# KiCad board issue8909.kicad_pcb
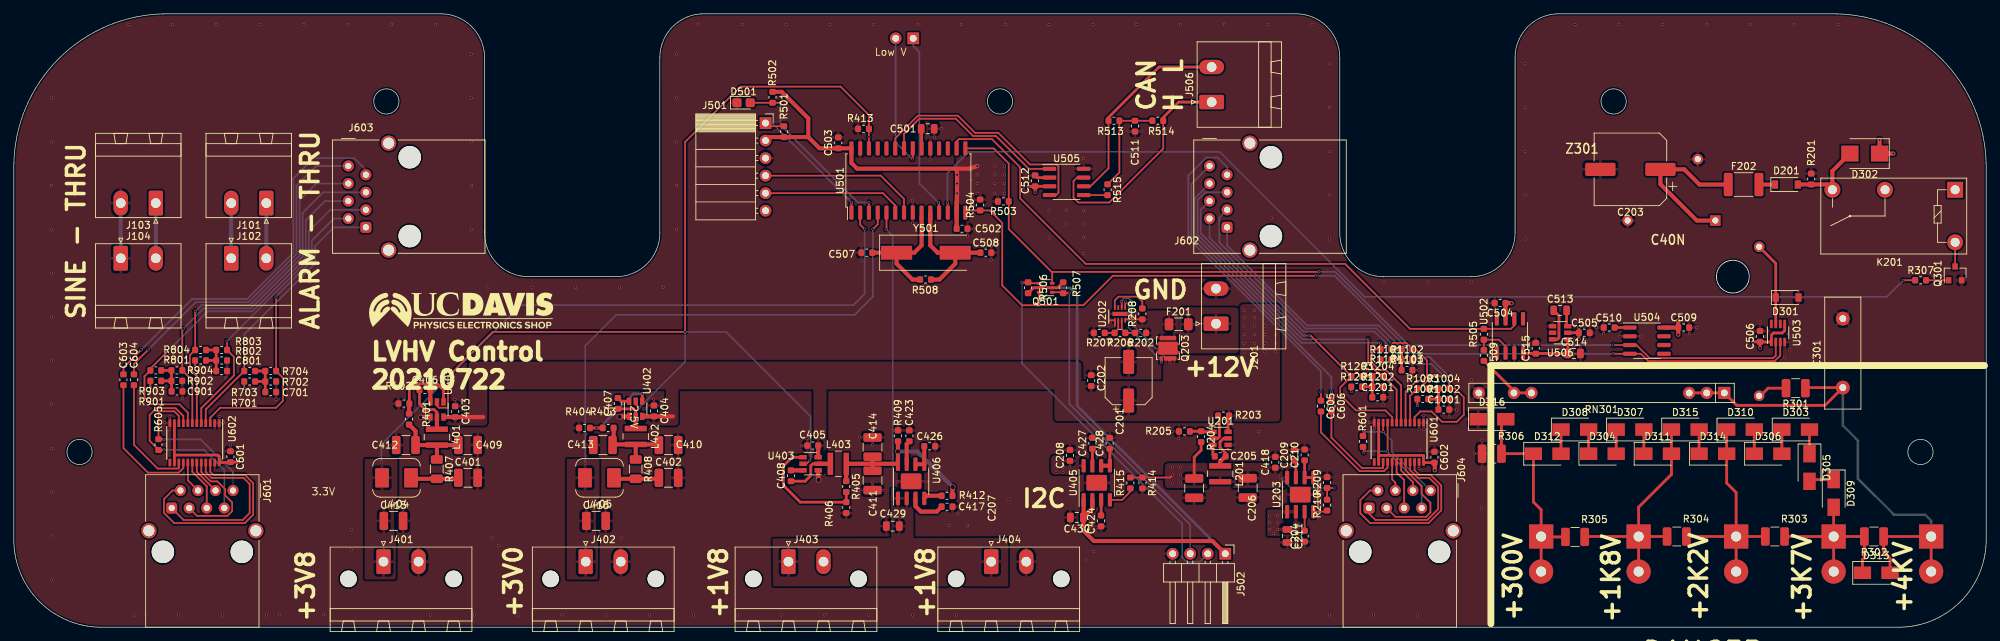
[diagram p0: board, top side]
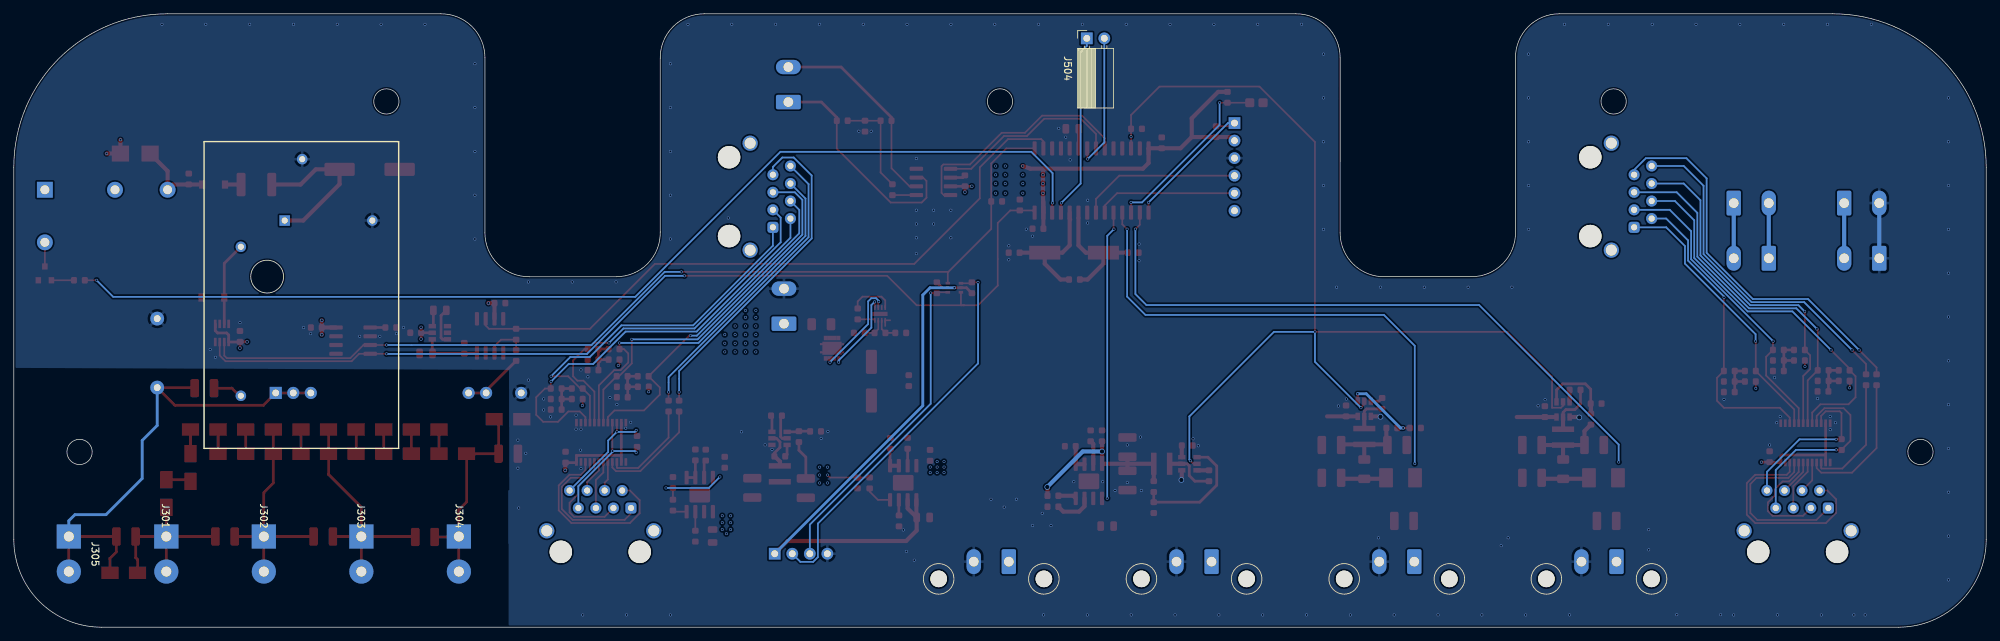
[diagram p1: board, bottom side, seen from below]

Outline 285.75 x 88.9 mm; copper layers: Top, L2 Ground (plane), L3 PWR (plane), Bottom. Coordinates in mm from the lower left corner of the outline.
Outline path: circle c9.53,25.4 r1.83 ; circle c53.98,76.2 r1.83 ; circle c142.88,76.2 r1.83 ; circle c231.78,76.2 r1.83 ; circle c276.23,25.4 r1.83 ; 0,66.68 arc(6.51,82.39) 22.23,88.9 61.85,88.9 arc(66.38,86.99) 68.2,82.42 68.2,57.28 arc(70.01,52.71) 74.55,50.8 87.12,50.8 arc(91.69,52.61) 93.6,57.15 93.6,82.56 arc(95.5,87.09) 100.08,88.9 185.75,88.9 arc(190.28,86.99) 192.1,82.42 192.1,57.27 arc(193.91,52.7) 198.45,50.8 211.02,50.8 arc(215.59,52.61) 217.5,57.15 217.5,82.56 arc(219.4,87.09) 223.97,88.9 263.52,88.9 arc(279.24,82.39) 285.75,66.68 285.75,12.7 arc(282.03,3.72) 273.05,0 12.7,0 arc(3.72,3.72) 0,12.7 0,66.68
Stack: Top 0.035mm / dielectric 1.51mm FR4 er 4.5 / L2 Ground 0.035mm / dielectric 1.51mm FR4 er 4.5 / L3 PWR 0.035mm / dielectric 1.51mm FR4 er 4.5 / Bottom 0.035mm

## Placement (name value [footprint] x y rotation side)
C201  10uF  [CP_Elec_6.3x5.9]  161.51 35.65 90 top
C202  0u1F  [C_0603_1608Metric]  156.09 35.73 90 top
C203  150uF  [CP_Elec_10x7.7]  234.2 66.35 180 top
C204  1uF  [C_0603_1608Metric]  187.01 13.19 90 top
C205  0u1F  [C_0603_1608Metric]  174.78 24.77 180 top
C206  22uF  [C_1210_3225Metric]  178.76 20.19 270 top
C207  22uF  [C_1210_3225Metric]  171.01 20.15 270 top
C208  0u1F  [C_0603_1608Metric]  153.01 24.9 90 top
C209  1uF  [C_0603_1608Metric]  185.51 24.94 90 top
C210  1uF  [C_0603_1608Metric]  187.01 24.97 90 top
C211  10uF  [C_0805_2012Metric]  184.51 13.22 270 top
C301  2nF  [C_Disc_D16.0mm_W5.0mm_P10.00mm]  264.98 34.72 90 top
C401  47uF  [C_1210_3225Metric]  65.8 21.65 0 top
C402  47uF  [C_1210_3225Metric]  94.85 21.65 0 top
C403  0u1F  [C_0603_1608Metric]  63.94 31.25 90 top
C404  0u1F  [C_0603_1608Metric]  92.74 31.34 90 top
C405  0u1F  [C_0603_1608Metric]  115.75 26.33 180 top
C406  0u1F  [C_0603_1608Metric]  59.56 34.4 0 top
C407  0u1F  [C_0603_1608Metric]  87.51 32.43 90 top
C408  0u1F  [C_0603_1608Metric]  112.6 21.95 90 top
C409  22uF  [C_1210_3225Metric]  65.8 26.4 0 top
C410  22uF  [C_1210_3225Metric]  94.85 26.4 0 top
C411  22uF  [C_1210_3225Metric]  124.41 21.27 270 top
C412  22uF  [C_1210_3225Metric]  56.8 26.4 180 top
C413  22uF  [C_1210_3225Metric]  85.35 26.4 180 top
C414  22uF  [C_1210_3225Metric]  124.41 26.1 90 top
C415  47uF  [C_1210_3225Metric]  55 15.4 0 top
C416  47uF  [C_1210_3225Metric]  84.35 15.4 0 top
C417  1uF  [C_0603_1608Metric]  135.2 17.46 180 top
C418  0u1F  [C_0603_1608Metric]  182.76 23.9 90 top
C423  1uF  [C_0603_1608Metric]  129.74 27.73 90 top
C424  1uF  [C_0603_1608Metric]  157.51 15.4 90 top
C426  1uF  [C_0603_1608Metric]  132.69 26.23 0 top
C427  1uF  [C_0603_1608Metric]  156.26 26.65 90 top
C428  1uF  [C_0603_1608Metric]  158.76 26.65 90 top
C429  10uF  [C_0805_2012Metric]  127.35 14.65 180 top
C430  10uF  [C_0805_2012Metric]  154.01 15.9 180 top
C501  10uF  [C_0805_2012Metric]  132.4 72.23 0 top
C502  0u1F  [C_0603_1608Metric]  137.38 57.75 0 top
C503  0u1F  [C_0603_1608Metric]  119.44 70.2 90 top
C504  0u1F  [C_0603_1608Metric]  215.33 46.97 180 top
C505  0u1F  [C_0603_1608Metric]  227.53 42.67 0 top
C506  0u1F  [C_0603_1608Metric]  252.98 42.14 90 top
C507  20pF  [C_0603_1608Metric]  123.58 54.28 180 top
C508  20pF  [C_0603_1608Metric]  140.82 54.28 0 top
C509  0u1F  [C_0603_1608Metric]  241.93 43.43 0 top
C510  0u1F  [C_0603_1608Metric]  231.13 43.43 180 top
C511  0u1F  [C_0603_1608Metric]  162.43 72.62 270 top
C512  0u1F  [C_0603_1608Metric]  147.96 64.69 90 top
C513  10uF  [C_0805_2012Metric]  224.03 45.92 0 top
C514  10uF  [C_0805_2012Metric]  226.03 39.67 0 top
C515  0u1F  [C_0603_1608Metric]  220.49 40.42 90 top
C601  0u1F  [C_0603_1608Metric]  31.38 24.71 270 top
C602  0u1F  [C_0603_1608Metric]  205.82 24.64 270 top
C603  0u1F  [C_0603_1608Metric]  15.88 35.86 270 top
C604  0u1F  [C_0603_1608Metric]  17.41 35.86 270 top
C605  0u1F  [C_0603_1608Metric]  189.37 32.05 270 top
C606  0u1F  [C_0603_1608Metric]  190.89 32.05 270 top
C701  0u1F  [C_0603_1608Metric]  37.22 34.08 0 top
C801  0u1F  [C_0603_1608Metric]  30.11 37.13 0 top
C901  0u1F  [C_0603_1608Metric]  23.65 34.17 0 top
C1001  0u1F  [C_0603_1608Metric]  207.17 31.54 0 top
C1101  0u1F  [C_0603_1608Metric]  201.84 37.26 0 top
C1201  0u1F  [C_0603_1608Metric]  197.59 33.32 0 top
D201  1N5819  [D_SOD-123]  256.8 64.15 0 top
D301  1N5819  [D_SOD-123]  256.91 47.78 0 top
D302  S1KB-13-F  [D_SMB]  268.15 68.64 180 top
D303  200V  [D_SMA]  258.15 28.64 0 top
D304  200V  [D_SMA]  230.15 25.14 0 top
D305  200V  [D_SMA]  260.15 23.14 270 top
D306  200V  [D_SMA]  254.15 25.14 0 top
D307  200V  [D_SMA]  234.15 28.64 0 top
D308  200V  [D_SMA]  226.15 28.64 0 top
D309  200V  [D_SMA]  263.65 19.38 270 top
D310  200V  [D_SMA]  250.15 28.64 0 top
D311  200V  [D_SMA]  238.15 25.14 0 top
D312  200V  [D_SMA]  222.15 25.14 0 top
D313  75V  [D_SMA]  269.82 7.88 0 top
D314  75V  [D_SMA]  246.15 25.14 0 top
D315  75V  [D_SMA]  242.15 28.64 0 top
D316  75V  [D_SMA]  214.15 30.14 0 top
D501  D_Photo  [D_0805_2012Metric_Castellated]  105.73 76.01 0 top
Davis_Shop_25mm  LOGO***  [Davis_Shop_25mm]  64.51 45.9 0 top
F201  Fuse  [Fuse_1206_3216Metric]  168.76 43.9 0 top
F202  Polyfuse  [Fuse_1812_4532Metric_Pad1.30x3.40mm_HandSolder]  250.6 64.15 0 top
J101  Conn_01x02_Male  [PhoenixContact_MSTBA_2,5_2-G-5,08_1x02_P5.08mm_Horizontal]  36.58 61.47 180 top
J102  Conn_01x02_Male  [PhoenixContact_MSTBA_2,5_2-G-5,08_1x02_P5.08mm_Horizontal]  31.5 53.47 0 top
J103  Conn_01x02_Male  [PhoenixContact_MSTBA_2,5_2-G-5,08_1x02_P5.08mm_Horizontal]  20.57 61.47 180 top
J104  Conn_01x02_Male  [PhoenixContact_MSTBA_2,5_2-G-5,08_1x02_P5.08mm_Horizontal]  15.49 53.47 0 top
J201  Conn_01x02_Male  [PhoenixContact_MSTBA_2,5_2-G-5,08_1x02_P5.08mm_Horizontal]  174.18 43.99 90 top
J301  Conn_01x01_Male  [TE_63951-1_1x02_P5.08mm_Drill1.45mm]  263.65 13.14 270 bottom
J302  Conn_01x01_Male  [TE_63951-1_1x02_P5.08mm_Drill1.45mm]  249.53 13.14 270 bottom
J303  Conn_01x01_Male  [TE_63951-1_1x02_P5.08mm_Drill1.45mm]  235.4 13.14 270 bottom
J304  Conn_01x01_Male  [TE_63951-1_1x02_P5.08mm_Drill1.45mm]  221.27 13.14 270 bottom
J305  Conn_01x01_Male  [TE_63951-1_1x02_P5.08mm_Drill1.45mm]  277.78 13.14 270 bottom
J401  Conn_01x03  [PhoenixContact_MSTB_2,5_2-GF-5,08_1x02_P5.08mm_Horizontal_ThreadedFlange_MountHole]  53.56 9.5 0 top
J402  Conn_01x03  [PhoenixContact_MSTB_2,5_2-GF-5,08_1x02_P5.08mm_Horizontal_ThreadedFlange_MountHole]  82.85 9.5 0 top
J403  Conn_01x03  [PhoenixContact_MSTB_2,5_2-GF-5,08_1x02_P5.08mm_Horizontal_ThreadedFlange_MountHole]  112.23 9.5 0 top
J404  Conn_01x03  [PhoenixContact_MSTB_2,5_2-GF-5,08_1x02_P5.08mm_Horizontal_ThreadedFlange_MountHole]  141.6 9.5 0 top
J501  Conn_01x06_Female  [PinSocket_1x06_P2.54mm_Horizontal]  108.9 73.06 0 top
J502  61900419521  [PinHeader_1x04_P2.54mm_Horizontal]  175.51 10.65 270 top
J504  Conn_01x04  [PinSocket_1x02_P2.54mm_Horizontal]  130.3 85.34 90 bottom
J506  Conn_01x02  [PhoenixContact_MSTBA_2,5_2-G-5,08_1x02_P5.08mm_Horizontal]  173.54 76.11 90 top
J601  RJ45  [RJ45_Wuerth_615008142621_Horizontal]  31.76 19.81 270 top
J602  RJ45  [RJ45_Wuerth_615008142621_Horizontal]  173.23 66.84 0 top
J603  RJ45  [RJ45_Wuerth_615008142621_Horizontal]  48.47 66.84 0 top
J604  RJ45  [RJ45_Wuerth_615008142621_Horizontal]  205.23 19.81 270 top
K201  G5Q-1A4 DC12  [Relay_SPST_Omron-G5Q-1A]  281.25 63.4 180 top
L201  3u3H  [L_Pulse_PA4331.332NLT]  174.78 22.23 270 top
L401  3u3H  [L_Pulse_PA4331.332NLT]  61.3 27.55 270 top
L402  3u3H  [L_Pulse_PA4331.332NLT]  90.1 27.64 270 top
L403  3u3H  [L_Pulse_PA4331.332NLT]  119.45 23.69 0 top
L404  200nH  [L_Bourns_SRP5015]  55.45 21.65 180 top
L405  200nH  [L_Bourns_SRP5015]  84.85 21.65 180 top
Q203  CSD87312Q3E  [Texas_CSD87312Q3E]  167.21 40.43 270 top
Q301  MMBTA42  [SOT-23]  281.25 51.28 90 top
Q501  DMN601DWK-7  [SOT-363_SC-70-6]  149.49 49.2 180 top
R201  100k  [R_0603_1608Metric]  260.4 64.95 90 top
R202  1M33  [R_0603_1608Metric]  163.26 42.65 180 top
R203  100k  [R_0603_1608Metric]  175.26 30.65 0 top
R204  54k9  [C_0603_1608Metric]  172.01 27.62 90 top
R205  10k  [R_0603_1608Metric]  169.6 28.38 180 top
R206  20k  [R_0603_1608Metric]  160.26 42.65 180 top
R207  42k  [R_0603_1608Metric]  157.26 42.65 180 top
R208  100k  [R_0603_1608Metric]  163.49 45.4 90 top
R209  100k  [R_0603_1608Metric]  190.26 20.97 90 top
R210  100k  [R_0603_1608Metric]  190.26 17.69 90 top
R301  100R  [R_1210_3225Metric]  258.15 34.64 180 top
R302  2M  [R_1210_3225Metric]  269.49 13.14 180 top
R303  10M  [R_1210_3225Metric]  255.14 13.14 180 top
R304  2M  [R_1210_3225Metric]  240.92 13.14 180 top
R305  10M  [R_1210_3225Metric]  226.19 13.08 180 top
R306  2M  [R_1210_3225Metric]  214.12 25.14 180 top
R307  1k  [R_0603_1608Metric]  276.25 50.28 0 top
R401  39k  [C_0603_1608Metric]  57.26 30.15 90 top
R402  10k  [R_0603_1608Metric]  56.51 32.4 180 top
R403  29k  [C_0603_1608Metric]  86.11 28.88 180 top
R404  10k  [R_0603_1608Metric]  82.69 28.88 180 top
R405  24k9  [R_0603_1608Metric]  120.6 20.38 270 top
R406  10k  [R_0603_1608Metric]  120.6 17.34 270 top
R407  0R2  [R_1206_3216Metric]  61.28 22.9 270 top
R408  0R2  [R_1206_3216Metric]  90.1 22.9 270 top
R409  100k  [R_0603_1608Metric]  128.09 27.73 90 top
R412  100k  [R_0603_1608Metric]  135.2 19.05 0 top
R413  10k  [R_0603_1608Metric]  123.1 72.23 180 top
R414  100k  [R_0603_1608Metric]  163.51 20.9 270 top
R415  100k  [R_0603_1608Metric]  161.76 20.9 90 top
R501  10k  [R_0603_1608Metric]  111.57 71.82 90 top
R502  10k  [R_0603_1608Metric]  109.92 76.8 90 top
R503  2k  [R_0603_1608Metric]  143.36 61.71 180 top
R504  2k  [R_0603_1608Metric]  140 61.19 90 top
R505  10k  [R_0603_1608Metric]  212.98 42.46 270 top
R506  2k  [R_0603_1608Metric]  146.95 49.2 270 top
R507  2k  [R_0603_1608Metric]  152.03 49.2 90 top
R508  1M  [R_0603_1608Metric]  132.09 50.39 0 top
R509  10k  [R_0603_1608Metric]  212.98 39.39 270 top
R513  60R4  [C_0603_1608Metric]  159.38 73.41 180 top
R514  60R4  [C_0603_1608Metric]  165.74 73.41 180 top
R515  300R  [C_0603_1608Metric]  158.46 63.4 270 top
R601  100R  [R_0603_1608Metric]  195.46 26.92 90 top
R605  100R  [R_0603_1608Metric]  20.96 26.46 90 top
R701  10k  [R_0603_1608Metric]  34.17 35.61 0 top
R702  5k7  [R_0603_1608Metric]  37.22 35.61 0 top
R703  49R9  [R_0603_1608Metric]  34.17 37.13 0 top
R704  49R9  [R_0603_1608Metric]  37.22 37.13 0 top
R801  10k  [R_0603_1608Metric]  27.06 38.66 0 top
R802  5k7  [R_0603_1608Metric]  30.11 38.66 0 top
R803  49R9  [R_0603_1608Metric]  30.11 40.18 180 top
R804  49R9  [R_0603_1608Metric]  27.06 40.18 180 top
R901  10k  [R_0603_1608Metric]  20.57 35.7 0 top
R902  5k7  [R_0603_1608Metric]  23.62 35.7 0 top
R903  49R9  [R_0603_1608Metric]  20.57 37.22 0 top
R904  49R9  [R_0603_1608Metric]  23.62 37.22 0 top
R1001  10k  [R_0603_1608Metric]  204.12 33.07 0 top
R1002  5k7  [R_0603_1608Metric]  207.17 33.07 0 top
R1003  49R9  [R_0603_1608Metric]  204.12 34.59 0 top
R1004  49R9  [R_0603_1608Metric]  207.17 34.59 0 top
R1101  10k  [R_0603_1608Metric]  198.79 38.78 0 top
R1102  5k7  [R_0603_1608Metric]  201.84 38.78 0 top
R1103  49R9  [R_0603_1608Metric]  201.84 40.31 180 top
R1104  49R9  [R_0603_1608Metric]  198.79 40.31 180 top
R1201  10k  [R_0603_1608Metric]  194.55 34.85 0 top
R1202  5k7  [R_0603_1608Metric]  197.59 34.85 0 top
R1203  49R9  [R_0603_1608Metric]  194.57 36.37 0 top
R1204  49R9  [R_0603_1608Metric]  197.62 36.37 0 top
RN301  HVD5-A50M  [Caddock_USVD_HVD]  247.8 33.95 180 top
U201  TPS562200  [SOT-23-6]  174.82 27.37 180 top
U202  LTC4365IDDB  [DFN-8-1EP_2x3mm_P0.5mm_EP0.61x2.2mm]  160.26 45.4 90 top
U203  ADP7158ARDZ-3.3  [SOIC-8-1EP_3.9x4.9mm_P1.27mm_EP2.29x3mm]  186.37 19.22 90 top
U401  TPS562200  [SOT-23-6]  61.3 31.56 90 top
U402  TPS562200  [SOT-23-6]  90.1 31.65 90 top
U403  TPS562200  [SOT-23-6]  115.44 23.69 180 top
U405  ADP7158ARDZ-3.3  [SOIC-8-1EP_3.9x4.9mm_P1.27mm_EP2.29x3mm]  156.89 20.93 90 top
U406  ADP7158ARDZ-1.8  [SOIC-8-1EP_3.9x4.9mm_P1.27mm_EP2.29x3mm]  130 21.15 90 top
U501  DSPIC33EV256GM102  [SOIC-28W_7.5x17.9mm_P1.27mm]  129.6 64.74 90 top
U502  OPA196IDR  [SOIC-8_3.9x4.9mm_P1.27mm]  216.75 42.22 90 top
U503  LTC2631-HZ  [TSOT-23-8]  255.59 42.64 90 top
U504  HIH6030-21  [SOIC-8_3.9x4.9mm_P1.27mm]  236.59 41.53 0 top
U505  MCP2561-E-SN  [SOIC-8_3.9x4.9mm_P1.27mm]  152.52 64.53 0 top
U506  ADM8828  [SOT-23-6]  224.03 42.67 180 top
U601  FIN1104  [TSSOP-24_4.4x7.8mm_P0.65mm]  200.66 26.8 270 top
U602  FIN1104  [TSSOP-24_4.4x7.8mm_P0.65mm]  26.19 26.72 270 top
Y501  Crystal  [Crystal_SMD_HC49-SD]  132.14 54.28 0 top
Z301  C40N  [EMCO_C40N.fp]  246.51 58.94 0 bottom

## Library data of the parts
C201 = -: digikey: PCE4012CT-ND; mpn: EEE-FC1H100P
C202 C205 C208 C403-C408 C418 C502-C506 C509-C512 C515 C601-C606 C701 C801 C901 C1001 C1101 C1201 = -: digikey: 587-3354-1-ND; mpn: GMK107B7104KAHT
C203 = -: digikey: 493-3956-1-ND; mpn: UCL1V151MCL6GS
C204 C209 C210 C417 C423 C424 C426-C428 = -: digikey: 587-3352-1-ND; mpn: GMK107AB7105KAHT
C206 C207 C409-C414 = -: digikey: 1276-3395-1-ND; mpn: CL32B226MOJNNNE
C211 C429 C430 C501 C513 C514 = -: digikey: 587-3417-1-ND; mpn: LMK212AB7106MG-T
C301 = -: digikey: 1269PH-ND; mpn: S202M75Z5UU83L0R
C401 C402 C415 C416 = -: digikey: 490-6543-1-ND; mpn: GRM32ER71A476ME15L
C507 C508 = -: digikey: 399-14498-1-ND; mpn: C0603C200K4GAC7867
D201 D301 = -: digikey: 1N5819HW-FDICT-ND; mpn: 1N5819HW-7-F
D302 = -: digikey: S1KB-FDICT-ND
D303-D312 = -: digikey: 1SMA200ZR3GCT-ND; mpn: 1SMA200Z
D313-D316 = -: digikey: 353-3SMAJ5946B-TPCT-ND; mpn: 3SMAJ5946B-TP
D501 = -: digikey: VEMD1060X01CT-ND; mpn: VEMD1060X01
F201 = -: digikey: 507-1191-1-ND; mpn: C1S 3
F202 = -: digikey: 507-1758-1-ND; mpn: 0ZCG0030FF2C
J101-J104 J201 = -: digikey: A98342-ND; mpn: 282841-2
J301-J305 = -: digikey: A100799CT-ND‎; mpn: 63951-1‎
J401-J404 = -: digikey: 277-6269-ND; mpn: 1776692
J501 = -: digikey: S5481-ND; mpn: PPPC061LGBN-RC
J502 = -: digikey: 732-2705-ND
J504 = -: digikey: S5440-ND; mpn: PPTC041LGBN-RC
J506 = -: digikey: 277-1106-ND; mpn: 1757242
J601-J604 = -: digikey: 732-3163-ND; mpn: 615008142621
K201 = -: digikey: Z223-ND
L201 L401-L403 = -: digikey: 553-3284-1-ND; mpn: PA4331.332NLT
L404 L405 = -: digikey: SRP5015TA-R20YCT-ND; mpn: SRP5015TA-R20Y
Q203 = -: digikey: 296-35526-1-ND
Q301 = -: digikey: 2156-MMBTA42-ND
Q501 = -: digikey: DMN601DWKDICT-ND
R201 R203 R209 R210 R307 R409 R412 R414 R415 = -: digikey: A130103CT-ND; mpn: CRGCQ0603J100K
R202 = -: digikey: 541-1.33MHCT-ND; mpn: CRCW06031M33FKEA
R204 = -: digikey: 311-54.9KHRCT-ND; mpn: RC0603FR-0754K9L
R205 R402 R404 R406 R413 R501 R502 R505 R509 R701 R801 R901 R1001 R1101 R1201 = -: digikey: A102203CT-ND; mpn: CPF0603F10KC1
R206 = -: digikey: 311-20.0KHRCT-ND; mpn: RC0603FR-0720KL
R207 = -: digikey: 311-42.2KHRCT-ND; mpn: RC0603FR-0742K2L
R208 = -: digikey: 311-100KHRCT-ND; mpn: RC0603FR-07100KL
R301 = -: digikey: A129859CT-ND; mpn: CRGCQ1210F100R
R302 R304 R306 = -: digikey: RHM1090CT-ND; mpn: KTR25JZPF2004
R303 R305 = -: digikey: RHM1041CT-ND; mpn: KTR25JZPF1005
R401 = -: digikey: A109969CT-ND; mpn: RP73PF1J35R7BTDF
R403 = -: digikey: A102246CT-ND; mpn: CPF0603F25K5C1
R405 = -: digikey: RNCP0603FTD24K9CT-ND; mpn: RNCP0603FTD24K9
R407 R408 = -: digikey: P17684CT-ND; mpn: ERJ-8BSFR20V
R503 R504 R506 R507 = -: digikey: P2.00KHCT-ND; mpn: ERJ-3EKF2001V
R508 = -: digikey: A129724CT-ND; mpn: CRGCQ0603F1M0
R513 R514 = -: digikey: P60.4DBCT-ND; mpn: ERA-3AEB60R4V
R515 = -: digikey: P300LCT-ND; mpn: ERJ-2RKF3000X
R601 R605 = -: digikey: A126330CT-ND; mpn: CRG0603J100R
R702 R802 R902 R1002 R1102 R1202 = -: digikey: A139482CT-ND; mpn: RQ73C1J5K76BTD
R703 R704 R803 R804 R903 R904 R1003 R1004 R1103 R1104 R1203 R1204 = -: digikey: A109983CT-ND; mpn: RP73PF1J49R9BTDF
RN301 = -: digikey: 683-HVD5-A50M-050-05-ND; mpn: HVD5-A50M-050-05
U201 U401-U403 = -: digikey: 296-37301-1-ND; mpn: TPS562200DDCT
U202 = -: digikey: LTC4365IDDB#TRPBFCT-ND; mpn: LTC4365IDDB#TRPBF
U203 U405 U406 = -: digikey: ADP7158ARDZ-1.8-R7CT-ND; mpn: ADP7158ARDZ-1.8-R7
U501 = -: digikey: DSPIC33EV256GM102-I/SO-ND; mpn: DSPIC33EV256GM102-I/SO
U502 = -: digikey: 296-48157-1-ND
U503 = -: digikey: LTC2631ACTS8-HZ12#TRMPBFCT-ND; mpn: LTC2631ACTS8-HZ12#TRMPBF
U504 = -: digikey: 480-5704-1-ND; mpn: HIH6030-021-001
U505 = -: digikey: MCP2561-E/SN-ND; mpn: MCP2561-E/SN
U506 = -: digikey: ADM8828ARTZ-REEL7CT-ND; mpn: ADM8828ARTZ-REEL7
U601 U602 = -: digikey: FIN1104MTCXCT-ND; mpn: FIN1104MTCX
Y501 = -: digikey: XC1272CT-ND; mpn: ECS-80-32-5PX-TR
Z301 = -: digikey: 1470-3255-ND

## Footprints (pads in the part's own frame, mm; a bottom-side part is the same pattern mirrored in y, then rotated)
C_0603_1608Metric
  rrect 0.875x0.95 smd: 1(-0.787,0) 2(0.787,0)
C_0805_2012Metric
  rrect 0.975x1.4 smd: 1(-0.938,0) 2(0.938,0)
C_1210_3225Metric
  rrect 1.25x2.65 smd: 1(-1.4,0) 2(1.4,0)
C_Disc_D16.0mm_W5.0mm_P10.00mm
  round 2 hole 1: 1(0,0) 2(10,0)
Caddock_USVD_HVD
  rect 1.753x1.753 hole 0.991: 1(0,0)
  round 1.753 hole 0.991: 1(2.54,0) 1(5.08,0) 2(27.94,0) 2(30.48,0) 3(35.56,0)
CP_Elec_6.3x5.9
  rrect 3.5x1.6 smd: 1(-2.8,0) 2(2.8,0)
CP_Elec_10x7.7
  rrect 4.4x1.9 smd: 1(-4.35,0) 2(4.35,0)
Crystal_SMD_HC49-SD
  rect 4.5x2 smd: 1(-4.25,0) 2(4.25,0)
D_0805_2012Metric_Castellated
  rrect 1.325x1.3 smd: 1(-0.963,0) 2(0.963,0)
D_SMA
  rect 2.5x1.8 smd: 1(-2,0) 2(2,0)
D_SMB
  rect 2.5x2.3 smd: 1(-2.15,0) 2(2.15,0)
D_SOD-123
  rect 0.9x1.2 smd: 1(-1.65,0) 2(1.65,0)
DFN-8-1EP_2x3mm_P0.5mm_EP0.61x2.2mm
  rect 0.5x0.59 smd: (0,0.734) (0,0) (0,-0.734)
  rect 0.7x0.25 smd: 1(-0.925,0.75) 2(-0.925,0.25) 3(-0.925,-0.25) 4(-0.925,-0.75) 5(0.925,-0.75) 6(0.925,-0.25) 7(0.925,0.25) 8(0.925,0.75)
  rect 0.61x2.2 smd: 9(0,0)
EMCO_C40N.fp
  rect 1.524x1.524 hole 0.889: 1(0,0)
  oval 1.524x1.524 hole 0.889: 2(-12.7,0) 3(6.35,3.81) 4(6.35,25.4) 5(-2.54,-8.89)
Fuse_1206_3216Metric
  rrect 1.25x1.75 smd: 1(-1.4,0) 2(1.4,0)
Fuse_1812_4532Metric_Pad1.30x3.40mm_HandSolder
  rrect 1.3x3.4 smd: 1(-2.225,0) 2(2.225,0)
L_Bourns_SRP5015
  rrect 2x2.8 smd: 1(-2.1,0) 2(2.1,0)
L_Pulse_PA4331.332NLT
  rect 0.8x3.2 smd: 1(-1.15,0) 2(1.15,0)
PhoenixContact_MSTB_2,5_2-GF-5,08_1x02_P5.08mm_Horizontal_ThreadedFlange_MountHole
  round 2.4 hole 2.4 unplated: (-5.08,-2.5) (10.16,-2.5)
  rrect 2.08x3.6 hole 1.4: 1(0,0)
  oval 2.08x3.6 hole 1.4: 2(5.08,0)
PhoenixContact_MSTBA_2,5_2-G-5,08_1x02_P5.08mm_Horizontal
  rrect 2.08x3.6 hole 1.4: 1(0,0)
  oval 2.08x3.6 hole 1.4: 2(5.08,0)
PinHeader_1x04_P2.54mm_Horizontal
  rect 1.7x1.7 hole 1: 1(0,0)
  oval 1.7x1.7 hole 1: 2(0,-2.54) 3(0,-5.08) 4(0,-7.62)
PinSocket_1x02_P2.54mm_Horizontal
  rect 1.7x1.7 hole 1: 1(0,0)
  oval 1.7x1.7 hole 1: 2(0,-2.54)
PinSocket_1x06_P2.54mm_Horizontal
  rect 1.7x1.7 hole 1: 1(0,0)
  oval 1.7x1.7 hole 1: 2(0,-2.54) 3(0,-5.08) 4(0,-7.62) 5(0,-10.16) 6(0,-12.7)
R_0603_1608Metric
  rrect 0.875x0.95 smd: 1(-0.787,0) 2(0.787,0)
R_1206_3216Metric
  rrect 1.25x1.75 smd: 1(-1.4,0) 2(1.4,0)
R_1210_3225Metric
  rrect 1.25x2.65 smd: 1(-1.4,0) 2(1.4,0)
Relay_SPST_Omron-G5Q-1A
  rect 2.3x2.3 hole 1.3: 1(0,0)
  round 2.3 hole 1.3: 2(10.16,0) 3(17.78,0) 5(0,7.62)
RJ45_Wuerth_615008142621_Horizontal
  round 3.25 hole 3.25 unplated: (8.89,1.27) (8.89,-10.16)
  rrect 1.6x1.6 hole 0.9: 1(2.54,-8.89)
  round 1.6 hole 0.9: 2(0,-7.62) 3(2.54,-6.35) 4(0,-5.08) 5(2.54,-3.81) 6(0,-2.54) 7(2.54,-1.27) 8(0,0)
  round 2.2 hole 1.6: SH(5.84,3.305) SH(5.84,-12.195)
SOIC-8-1EP_3.9x4.9mm_P1.27mm_EP2.29x3mm
  rrect 0.92x1.21 smd: (-0.57,0.75) (-0.57,-0.75) (0.57,0.75) (0.57,-0.75)
  rrect 1.95x0.6 smd: 1(-2.475,1.905) 2(-2.475,0.635) 3(-2.475,-0.635) 4(-2.475,-1.905) 5(2.475,-1.905) 6(2.475,-0.635) 7(2.475,0.635) 8(2.475,1.905)
  rrect 2.29x3 smd: 9(0,0)
SOIC-8_3.9x4.9mm_P1.27mm
  rrect 1.95x0.6 smd: 1(-2.475,1.905) 2(-2.475,0.635) 3(-2.475,-0.635) 4(-2.475,-1.905) 5(2.475,-1.905) 6(2.475,-0.635) 7(2.475,0.635) 8(2.475,1.905)
SOIC-28W_7.5x17.9mm_P1.27mm
  rrect 2.05x0.6 smd: 1(-4.65,8.255) 2(-4.65,6.985) 3(-4.65,5.715) 4(-4.65,4.445) 5(-4.65,3.175) 6(-4.65,1.905) 7(-4.65,0.635) 8(-4.65,-0.635) 9(-4.65,-1.905) 10(-4.65,-3.175) 11(-4.65,-4.445) 12(-4.65,-5.715) 13(-4.65,-6.985) 14(-4.65,-8.255) 15(4.65,-8.255) 16(4.65,-6.985) 17(4.65,-5.715) 18(4.65,-4.445) 19(4.65,-3.175) 20(4.65,-1.905) 21(4.65,-0.635) 22(4.65,0.635) 23(4.65,1.905) 24(4.65,3.175) 25(4.65,4.445) 26(4.65,5.715) 27(4.65,6.985) 28(4.65,8.255)
SOT-23
  rect 0.9x0.8 smd: 1(-1,0.95) 2(-1,-0.95) 3(1,0)
SOT-23-6
  rect 1.06x0.65 smd: 1(-1.1,0.95) 2(-1.1,0) 3(-1.1,-0.95) 4(1.1,-0.95) 5(1.1,0) 6(1.1,0.95)
SOT-363_SC-70-6
  rect 0.65x0.4 smd: 1(-0.95,0.65) 2(-0.95,0) 3(-0.95,-0.65) 4(0.95,-0.65) 5(0.95,0) 6(0.95,0.65)
TE_63951-1_1x02_P5.08mm_Drill1.45mm
  rect 3.5x3.5 hole 1.45: 1(0,0)
  round 3.5 hole 1.45: 1(5.08,0)
Texas_CSD87312Q3E
  rect 0.55x0.34 smd: (-1.475,0.975) (-1.475,0.286) (-1.475,-0.286) (-1.475,-0.975) (1.475,0.975) (1.475,0.325) (1.475,-0.325) (1.475,-0.975)
  rect 0.55x0.55 smd: (-1.475,0.6)
  rect 0.7x0.7 smd: (-0.45,0.9) (-0.45,0) (-0.45,-0.9) (0.45,0.9) (0.45,0) (0.45,-0.9)
  rect 0.65x0.598 smd: 1(-1.475,0.896) 2(-1.475,0.299) 3(-1.475,-0.299) 4(-1.475,-0.896) 6(1.475,-0.299) 7(1.475,0.299) 8(1.475,0.896)
  rect 0.65x0.44 smd: 5(1.475,-0.975)
  rect 0.3x0.35 smd: 9(-0.59,1.575) 9(-0.59,-1.575) 9(0.59,1.575) 9(0.59,-1.575)
  rect 1.9x2.8 smd: 9(0,0)
TSOT-23-8
  rect 1.22x0.4 smd: 1(-1.31,0.97) 2(-1.31,0.33) 3(-1.31,-0.33) 4(-1.31,-0.97) 5(1.31,-0.97) 6(1.31,-0.33) 7(1.31,0.33) 8(1.31,0.97)
TSSOP-24_4.4x7.8mm_P0.65mm
  rect 1.1x0.4 smd: 1(-2.85,3.575) 2(-2.85,2.925) 3(-2.85,2.275) 4(-2.85,1.625) 5(-2.85,0.975) 6(-2.85,0.325) 7(-2.85,-0.325) 8(-2.85,-0.975) 9(-2.85,-1.625) 10(-2.85,-2.275) 11(-2.85,-2.925) 12(-2.85,-3.575) 13(2.85,-3.575) 14(2.85,-2.925) 15(2.85,-2.275) 16(2.85,-1.625) 17(2.85,-0.975) 18(2.85,-0.325) 19(2.85,0.325) 20(2.85,0.975) 21(2.85,1.625) 22(2.85,2.275) 23(2.85,2.925) 24(2.85,3.575)
